# Altium PCB DM3370.PcbDoc (part 1 of 9) (continued)
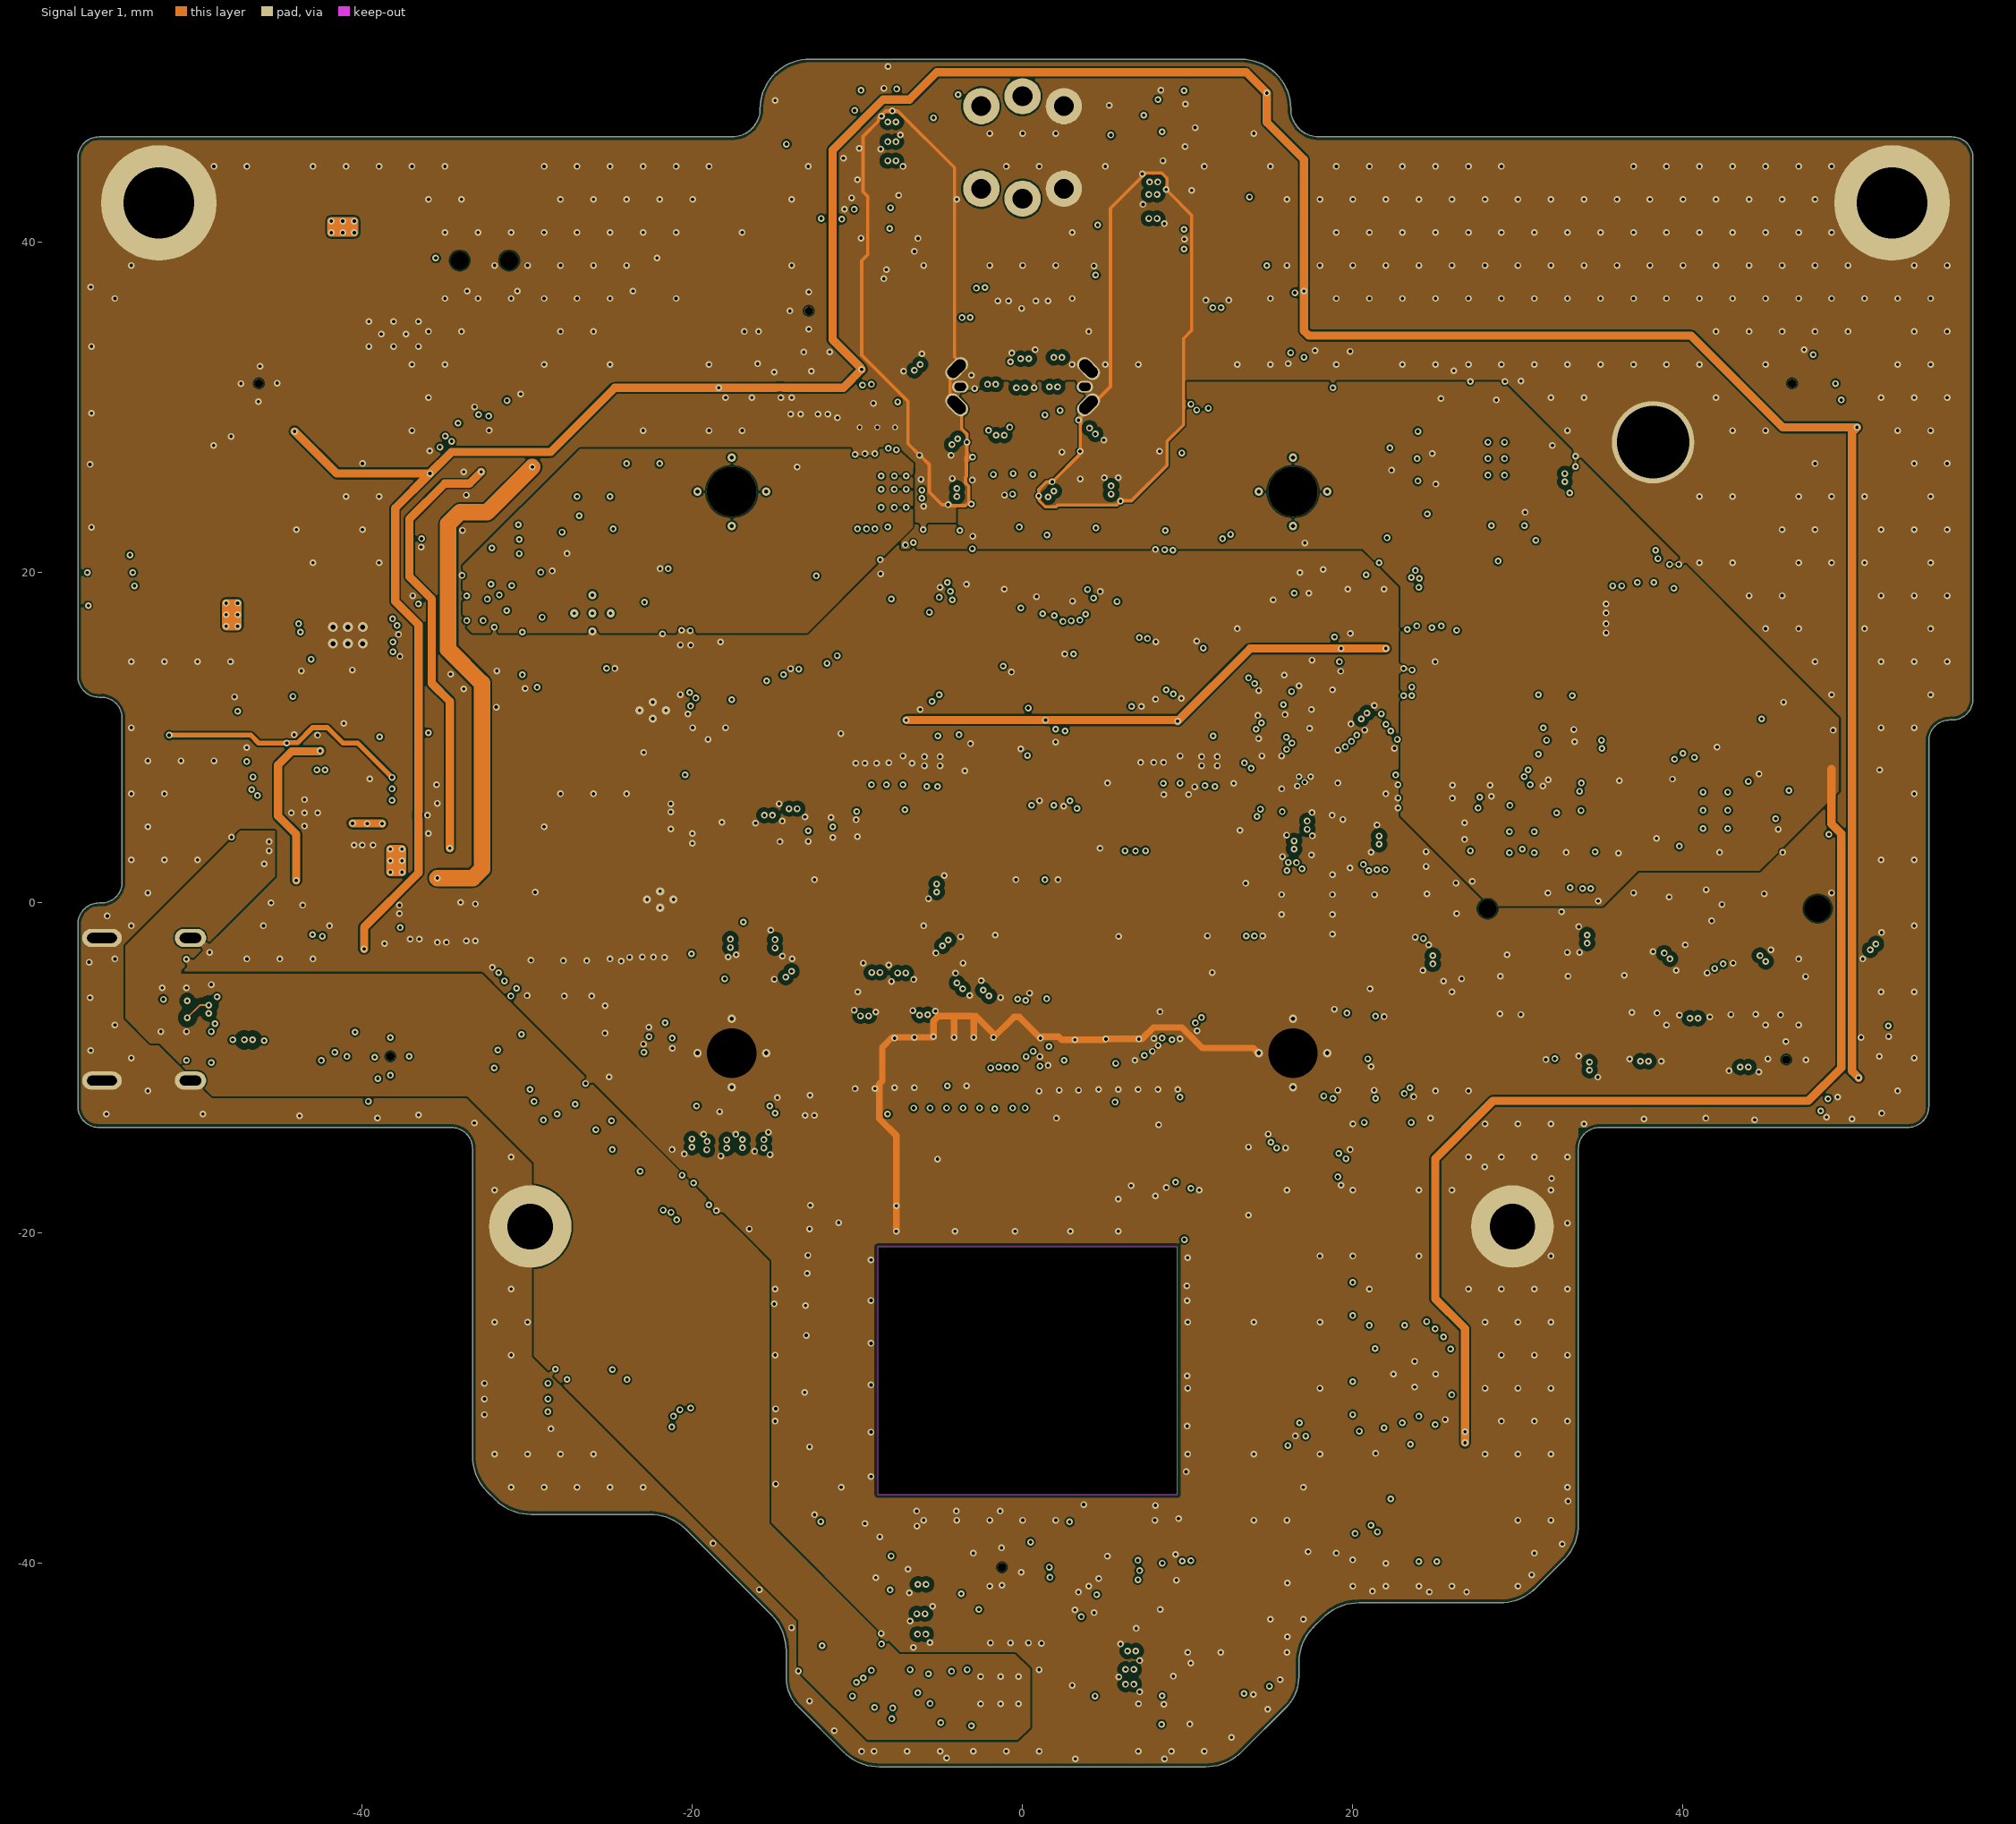
[diagram p4: Signal Layer 1]
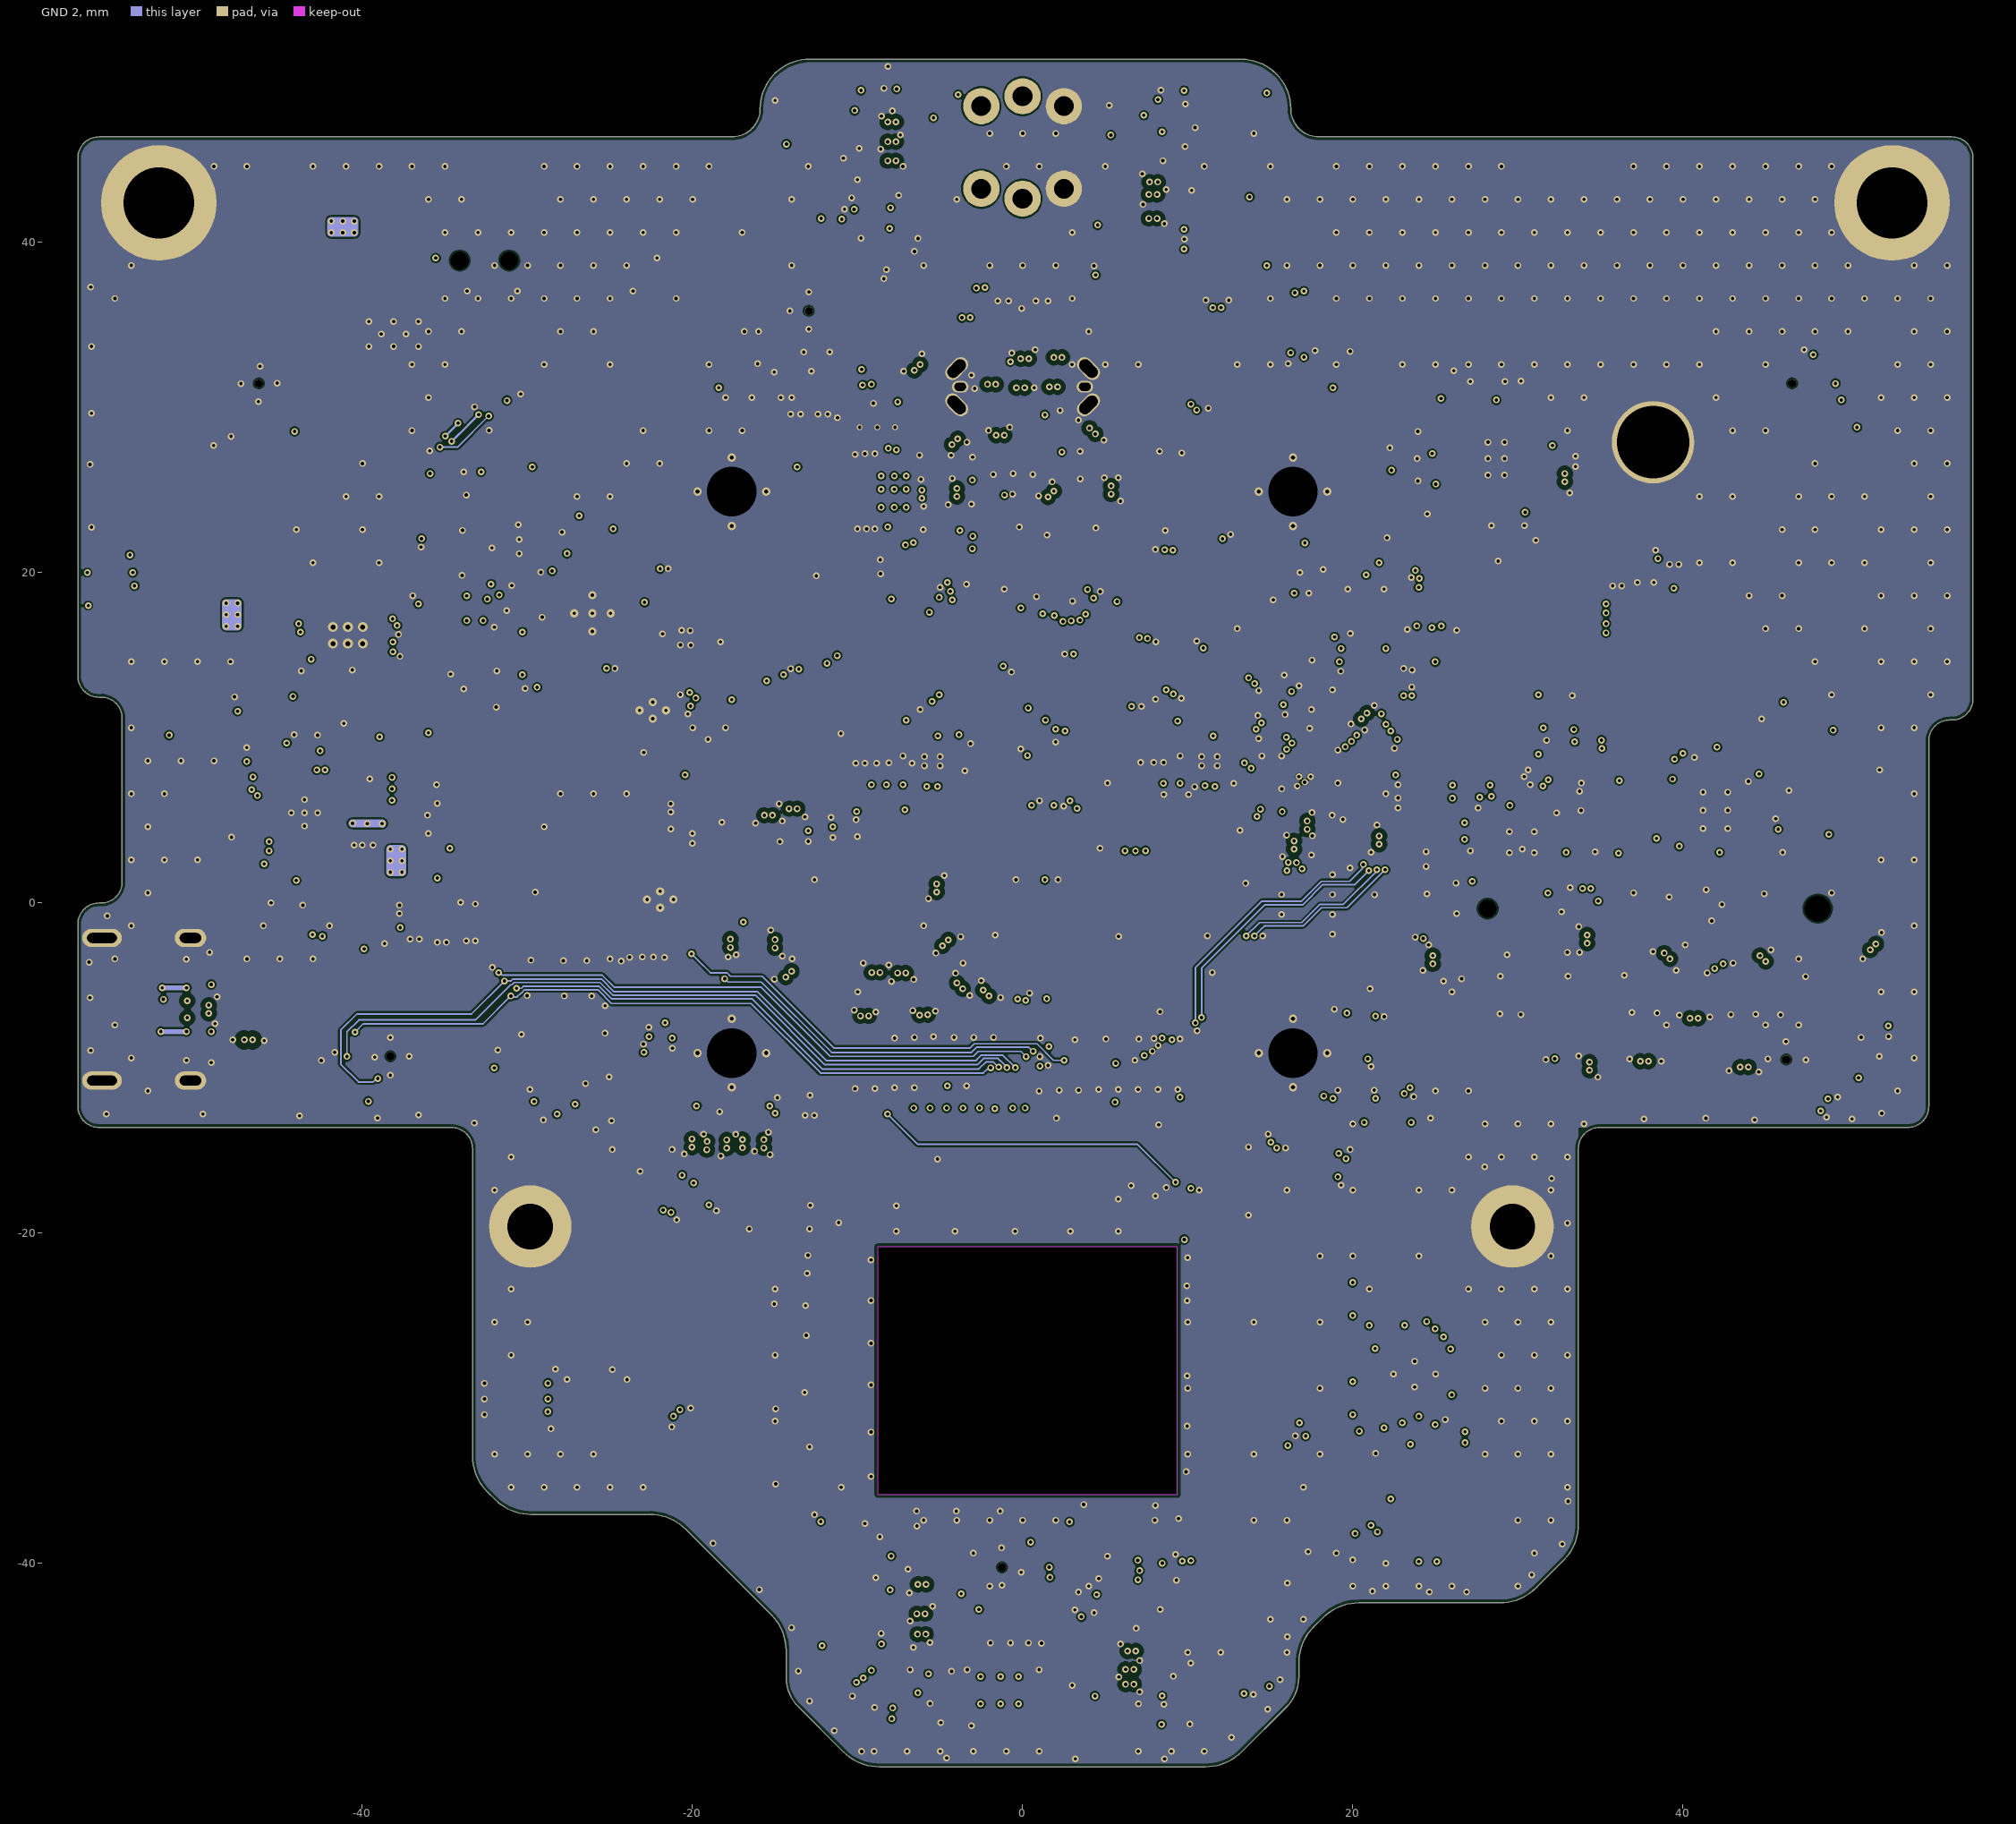
[diagram p5: GND 2]

## Layer stack, top to bottom
Top Mask: solder mask 0.015, Solder Resist, Dk 3.8
Top Copper: signal copper 0.035
Dielectric 1: prepreg 0.1, 2313, Dk 4.05
GND 1: signal copper 0.018
Core 1: core 0.565, FR-4, Dk 4.5
PWR: signal copper 0.018
Dielectric 2: prepreg 0.127, 2116, Dk 4.25
Signal Layer 1: signal copper 0.018
Core 2: core 0.565, FR-4, Dk 4.5
GND 2: signal copper 0.018
Dielectric 3: prepreg 0.1, 2313, Dk 4.05
Bottom Copper: signal copper 0.035
Bottom Mask: solder mask 0.015, Solder Resist, Dk 3.8

## Board outline
-32.427,-35.673 cw(c-30.259,-33.505) -33.325,-33.505 -33.315,-33.505 -33.315,-14.879 -33.325,-14.879 ccw(c-34.595,-14.879) -34.595,-13.609 -55.955,-13.609 cw(c-55.955,-12.339) -57.225,-12.339 -57.225,-1.284 cw(c-55.955,-1.284) -55.955,-0.014 -55.82,-0.014 ccw(c-55.82,1.256) -54.55,1.256 -54.55,11.18 ccw(c-55.82,11.18) -55.82,12.45 -55.955,12.45 cw(c-55.955,13.72) -57.225,13.72 -57.225,45.121 cw(c-55.955,45.121) -55.955,46.391 -21.325,46.391 -17.6,46.391 ccw(c-17.6,48.091) -15.9,48.091 cw(c-12.9,48.091) -12.9,51.091 13.25,51.091 cw(c13.25,48.091) 16.25,48.091 ccw(c17.95,48.091) 17.95,46.391 21.675,46.391 56.305,46.391 cw(c56.305,45.121) 57.575,45.121 57.575,12.34 cw(c56.305,12.34) 56.305,11.07 56.17,11.07 ccw(c56.17,9.8) 54.9,9.8 54.9,-12.339 cw(c53.63,-12.339) 53.63,-13.609 34.945,-13.609 ccw(c34.945,-14.879) 33.675,-14.879 33.675,-37.655 cw(c30.609,-37.655) 32.777,-39.823 31.098,-41.502 cw(c28.93,-39.334) 28.93,-42.4 20.37,-42.4 ccw(c20.37,-45.466) 18.202,-43.298 17.638,-43.862 ccw(c19.806,-46.03) 16.74,-46.03 16.74,-46.895 cw(c14.17,-46.895) 15.987,-48.713 13.301,-51.399 13.263,-51.437 cw(c11.095,-49.269) 11.095,-52.335 -8.68,-52.335 cw(c-8.68,-49.269) -10.848,-51.437 -10.886,-51.399 -13.572,-48.713 cw(c-11.755,-46.895) -14.325,-46.895 -14.325,-45.295 ccw(c-17.391,-45.295) -15.223,-43.127 -20.402,-37.948 ccw(c-22.57,-40.116) -22.57,-37.05 -29.78,-37.05 cw(c-29.78,-33.984) -31.948,-36.152
cut-out: 9.369,-20.835 -8.77,-20.835 -8.77,-35.823 9.369,-35.823

## Design rules (kind name [scope] priority, off if disabled: settings)
AssemblyTestPointUsage [All] p1: valid=2
BoardOutlineClearance [All] p1: gap=0.2 ignorepadtopadclearanceinfootprint=FALSE except(0: Text-OutlineEdge Text-CavityEdge Text-CutoutEdge Text-SplitBarrior Text-SplitContinuation)
Clearance Antenna_50ohm_via [(IsVia AND InNet('RF_ANT'))] p1: gap=0.25 ignorepadtopadclearanceinfootprint=FALSE
Clearance Antenna_50ohm [(InNet('RF_OUT') or InNet('RF_ANT'))] p2: gap=0.127 ignorepadtopadclearanceinfootprint=FALSE
Clearance Diff_Pair_Spacing [(InDifferentialPairClass('All Differential Pairs'))] p3: gap=0.102 ignorepadtopadclearanceinfootprint=FALSE except(0.089: Via-Via; 0.381: Arc-Poly Track-Poly SMDPad-Poly THPad-Poly Via-Poly Fill-Poly Poly-Poly)
Clearance general [All] p4: gap=0.102 ignorepadtopadclearanceinfootprint=FALSE except(0.089: Via-Via)
ComponentClearance [not (InNamedUnion('Unions') or InNamedUnion('Unions 1') )] p1: gap=0.1 collisioncheckmode=3 verticalgap=0.2 showdistances=FALSE
DiffPairsRouting 90ohm_diff_pair [InDifferentialPairClass('90ohm')] p1: maxlimit=0.254 minlimit=0.102 mostfreqgap=0.254 toplayer_mingap=0.127 toplayer_maxgap=0.127 toplayer_prefgap=0.127 toplayer_minwidth=0.14 toplayer_maxwidth=0.14 toplayer_prefwidth=0.14 midlayer2_mingap=0.104 midlayer2_maxgap=0.104 midlayer2_prefgap=0.104 midlayer2_minwidth=0.102 midlayer2_maxwidth=0.102 midlayer2_prefwidth=0.102 midlayer3_mingap=0.104 midlayer3_maxgap=0.104 midlayer3_prefgap=0.104 midlayer3_minwidth=0.102 midlayer3_maxwidth=0.102 midlayer3_prefwidth=0.102 bottomlayer_mingap=0.127 bottomlayer_maxgap=0.127 bottomlayer_prefgap=0.127 bottomlayer_minwidth=0.14 bottomlayer_maxwidth=0.14 bottomlayer_prefwidth=0.14 impedanceprofiledriven=TRUE impedanceprofileid={4A887355-EDE9-43E1-A72D-57128750E5B5} impedanceprofilevalue=90.000000 maxuncoupledlength=12.7
DiffPairsRouting 100ohm_Diff_pair [InDifferentialPairClass('100ohm')] p2: maxlimit=0.254 minlimit=0.102 mostfreqgap=0.16 toplayer_mingap=0.127 toplayer_maxgap=0.127 toplayer_prefgap=0.127 toplayer_minwidth=0.101 toplayer_maxwidth=0.101 toplayer_prefwidth=0.101 midlayer2_mingap=0.16 midlayer2_maxgap=0.16 midlayer2_minwidth=0.101 midlayer2_maxwidth=0.101 midlayer2_prefwidth=0.101 midlayer3_mingap=0.16 midlayer3_maxgap=0.16 midlayer3_minwidth=0.101 midlayer3_maxwidth=0.101 midlayer3_prefwidth=0.101 bottomlayer_mingap=0.127 bottomlayer_maxgap=0.127 bottomlayer_prefgap=0.127 bottomlayer_minwidth=0.101 bottomlayer_maxwidth=0.101 bottomlayer_prefwidth=0.101 impedanceprofiledriven=TRUE impedanceprofileid={50C3F4AE-9793-4715-878E-B2E5BAB938C0} impedanceprofilevalue=100.000000 maxuncoupledlength=12.7
FabricationTestPointUsage [All] p1: valid=2 allowmultiple=FALSE
HoleSize [All] p1: absolutevalues=TRUE maxlimit=3.81 minlimit=0.025 maxpercent=80.000 minpercent=20.000
HoleToHoleClearance [All] p1: gap=0.254 allowstackedmicrovias=FALSE
MatchedLengths MIPI_RX0/1 [InNetClass('MIPI_RX0/1')] p1: tolerance=25.4 checknetsindiffpair=FALSE checkdiffpairvsdiffpair=TRUE checkxsignals=TRUE checkothers=TRUE usedelayunits=TRUE delaytolerance=1.000000
MatchedLengths MIPI_RX2 [InNetClass('MIPI_RX2')] p2: tolerance=25.4 checknetsindiffpair=FALSE checkdiffpairvsdiffpair=TRUE checkxsignals=TRUE checkothers=TRUE usedelayunits=TRUE delaytolerance=1.000000
MatchedLengths MIPI_RX3 [InNetClass('MIPI_RX3')] p3: tolerance=25.4 checknetsindiffpair=FALSE checkdiffpairvsdiffpair=TRUE checkxsignals=TRUE checkothers=TRUE usedelayunits=TRUE delaytolerance=1.000000
MatchedLengths MIPI_RX4 [InNetClass('MIPI_RX4')] p4: tolerance=25.4 checknetsindiffpair=FALSE checkdiffpairvsdiffpair=TRUE checkxsignals=TRUE checkothers=TRUE usedelayunits=TRUE delaytolerance=1.000000
MatchedLengths MIPI_RX5 [InNetClass('MIPI_RX5')] p5: tolerance=25.4 checknetsindiffpair=FALSE checkdiffpairvsdiffpair=TRUE checkxsignals=TRUE checkothers=TRUE usedelayunits=TRUE delaytolerance=1.000000
MatchedLengths DIFF_PAIR_INTRA [InAnyDifferentialPair and (not InNetClass('PCIE'))] p6: tolerance=25.4 checknetsindiffpair=TRUE checkdiffpairvsdiffpair=FALSE checkxsignals=FALSE checkothers=FALSE usedelayunits=TRUE delaytolerance=0.500000
MatchedLengths XSIG-SPI [InxSignalClass('XSIG-SPI')] p7: tolerance=50 checknetsindiffpair=FALSE checkdiffpairvsdiffpair=TRUE checkxsignals=TRUE checkothers=TRUE usedelayunits=TRUE delaytolerance=20.000000
MatchedLengths XSIG-IMU [InxSignalClass('XSIG-IMU')] p8: tolerance=50 checknetsindiffpair=FALSE checkdiffpairvsdiffpair=TRUE checkxsignals=TRUE checkothers=TRUE usedelayunits=TRUE delaytolerance=20.000000
MatchedLengths XSIG-USB [InxSignalClass('XSIG-USB')] p9: tolerance=50 checknetsindiffpair=TRUE checkdiffpairvsdiffpair=FALSE checkxsignals=FALSE checkothers=FALSE usedelayunits=TRUE delaytolerance=1.000000
MatchedLengths XSIG_PCIe [InxSignalClass('XSIG_PCIe')] p10: tolerance=50 checknetsindiffpair=TRUE checkdiffpairvsdiffpair=FALSE checkxsignals=FALSE checkothers=FALSE usedelayunits=TRUE delaytolerance=1.000000
MatchedLengths XSIG-USB_M.2 [InxSignalClass('XSIG-USB-M.2')] p11: tolerance=50 checknetsindiffpair=TRUE checkdiffpairvsdiffpair=FALSE checkxsignals=FALSE checkothers=FALSE usedelayunits=TRUE delaytolerance=1.000000
MatchedLengths XSIG-USB_CONNC [InxSignalClass('XSIG-USB-CONNC')] p12: tolerance=50 checknetsindiffpair=TRUE checkdiffpairvsdiffpair=FALSE checkxsignals=FALSE checkothers=FALSE usedelayunits=TRUE delaytolerance=1.000000
MatchedLengths XSIG-USB_DOWNLOAD [InxSignalClass('XSIG-USB-DOWNLOAD')] p13: tolerance=50 checknetsindiffpair=TRUE checkdiffpairvsdiffpair=FALSE checkxsignals=FALSE checkothers=FALSE usedelayunits=TRUE delaytolerance=1.000000
MinimumSolderMaskSliver [All] p1: minsoldermaskwidth=0.045
PlaneConnect [All] p1: pad.planeconnectstyle=Relief pad.reliefexpansion=0.508 pad.reliefentries=4 pad.reliefconductorwidth=0.254 pad.reliefairgap=0.254 via.planeconnectstyle=Direct via.reliefexpansion=0.508 via.reliefentries=4 via.reliefconductorwidth=0.254 via.reliefairgap=0.254
PolygonConnect OuterLayerGND_PolyClass [(OnTopLayer or OnBottomLayer) and InNet('GND')] p1: thpad.connectstyle=Direct thpad.reliefconductorwidth=0.254 thpad.reliefentries=4 thpad.polygonreliefangle="90 Angle" thpad.airgapwidth=0.254 smdpad.connectstyle=Relief smdpad.reliefconductorwidth=0.254 smdpad.reliefentries=4 smdpad.polygonreliefangle="90 Angle" smdpad.airgapwidth=0.254 via.connectstyle=Direct via.reliefconductorwidth=0.254 via.reliefentries=4 via.polygonreliefangle="90 Angle" via.airgapwidth=0.254
PolygonConnect GenericPoly [All] p2: connectstyle=Direct reliefconductorwidth=0.254 reliefentries=4 polygonreliefangle="90 Angle" airgapwidth=0.254
RoutingVias RoutingVias_Diff [InDifferentialPairClass('All Differential Pairs')] p1: holewidth=0.711 width=1.27 viastyle="Through Hole" minholewidth=0.711 minwidth=1.27 maxholewidth=0.711 maxwidth=1.27 useviatemplates=TRUE viatemplateguid#1={382E79FE-C3E6-4321-BD90-BF9CB8F29709} viatemplatename#1=v41h20m0mx0
RoutingVias RoutingVias_50ohm [InNet('RF_ANT')] p2: holewidth=0.3 width=0.6 viastyle="Through Hole" minholewidth=0.203 minwidth=0.406 maxholewidth=0.711 maxwidth=1.27 viatemplateguid#1={4FAF5CDF-1B7A-4E58-8938-CCE8ED26F714} viatemplatename#1=v41h20
RoutingVias [All] p3: holewidth=0.203 width=0.406 viastyle="Through Hole" minholewidth=0.203 minwidth=0.406 maxholewidth=25.4 maxwidth=25.4 useviatemplates=TRUE viatemplateguid#1={382E79FE-C3E6-4321-BD90-BF9CB8F29709} viatemplatename#1=v41h20m0mx0
SilkToSilkClearance [All] p1: silktosilkclearance=0.01
SilkToSolderMaskClearance SilkscreenOverComponentPads [IsPad] p1: minsilkscreentomaskgap=0 clearancetoexposedcopper=FALSE
SolderMaskExpansion [All] p1: expansion=0.051 istentingtop=FALSE
UnRoutedNet [All] p1: checkbadconnections=TRUE
Width [All] p1: maxlimit=1 minlimit=0.102 preferedwidth=0.127
19 further rules are at their usual default settings.

## Classes and differential pairs
component class U_DM3370_speaker: C121 C122 C123 C124 C125 C126 C127 C128 C129 C130 C131 C132 C133 C134 C135 C136 C137 C138 P1 P2 R163 R164 R165 U19
net class MIPI_RX5: MIPI_RX5_C_N MIPI_RX5_C_P MIPI_RX5_D0_N MIPI_RX5_D0_P MIPI_RX5_D1_N MIPI_RX5_D1_P
net class MIPI_RX3: MIPI_RX3_C_N MIPI_RX3_C_P MIPI_RX3_D0_N MIPI_RX3_D0_P MIPI_RX3_D1_N MIPI_RX3_D1_P
component class TopLevel: FID1 FID2 FID3 FID4 FID5 FID6 MTG1 MTG2 MTG3 MTG4
differential pair class 100ohm: MIPI_RX0_C MIPI_RX0_D0 MIPI_RX0_D1 MIPI_RX1_C MIPI_RX1_D0 MIPI_RX1_D1 MIPI_RX2_C MIPI_RX2_D0 MIPI_RX2_D1 MIPI_RX3_C MIPI_RX3_D0 MIPI_RX3_D1 MIPI_RX4_C MIPI_RX4_D0 MIPI_RX4_D1 MIPI_RX5_C MIPI_RX5_D0 MIPI_RX5_D1 MIPI_TX0_C MIPI_TX0_D0 MIPI_TX0_D1 MIPI_TX1_D0 MIPI_TX1_D1 MIPI_TX2_C MIPI_TX2_D0 MIPI_TX2_D1 MIPI_TX3_C MIPI_TX3_D0 MIPI_TX3_D1 PCIe1_KB_CLK_GEN PCIe1_KB_CLK_IN PCIe1_WIFI_CLK_GEN PCIe1_WIFI_CLK_IN PCIe2_KB_CLK_GEN PCIe2_KB_CLK_IN PCIe2_WIFI_CLK_GEN PCIe2_WIFI_CLK_IN PCIE_CLK PCIE_CRX0 PCIE_CRX1 PCIE_CTX0 PCIE_CTX1 PCIE_RC_REF_CLK PCIe_W_CLK_IN PET0 PET1
net class POWER: 1V8_MIC_1L 1V8_MIC_2L 1V8_MIC_3L 3V3_WIFI
net class PCIE: PCIe1_KB_CLK_GEN_N PCIe1_KB_CLK_GEN_P PCIe1_KB_CLK_IN_N PCIe1_KB_CLK_IN_P PCIe1_WIFI_CLK_GEN_N PCIe1_WIFI_CLK_GEN_P PCIe1_WIFI_CLK_IN_N PCIe1_WIFI_CLK_IN_P PCIe2_KB_CLK_GEN_N PCIe2_KB_CLK_GEN_P PCIe2_KB_CLK_IN_N PCIe2_KB_CLK_IN_P PCIe2_WIFI_CLK_GEN_N PCIe2_WIFI_CLK_GEN_P PCIe2_WIFI_CLK_IN_N PCIe2_WIFI_CLK_IN_P PCIE_CLK_N PCIE_CLK_P PCIE_CRX0_N PCIE_CRX0_P PCIE_CRX1_N PCIE_CRX1_P PCIE_CTX0_N PCIE_CTX0_P PCIE_CTX1_N PCIE_CTX1_P PCIE_RC_REF_CLK_N PCIE_RC_REF_CLK_P PCIe_W_CLK_IN_N PCIe_W_CLK_IN_P PET0_N PET0_P PET1_N PET1_P
net class MIPI_TX2/3: MIPI_TX2_C_N MIPI_TX2_C_P MIPI_TX2_D0_N MIPI_TX2_D0_P MIPI_TX2_D1_N MIPI_TX2_D1_P MIPI_TX3_C_N MIPI_TX3_C_P MIPI_TX3_D0_N MIPI_TX3_D0_P MIPI_TX3_D1_N MIPI_TX3_D1_P
net class MIPI_TX0/1: MIPI_TX0_C_N MIPI_TX0_C_P MIPI_TX0_D0_N MIPI_TX0_D0_P MIPI_TX0_D1_N MIPI_TX0_D1_P MIPI_TX1_D0_N MIPI_TX1_D0_P MIPI_TX1_D1_N MIPI_TX1_D1_P
net class MIPI_RX4: MIPI_RX4_C_N MIPI_RX4_C_P MIPI_RX4_D0_N MIPI_RX4_D0_P MIPI_RX4_D1_N MIPI_RX4_D1_P
net class MIPI_RX2: MIPI_RX2_C_N MIPI_RX2_C_P MIPI_RX2_D0_N MIPI_RX2_D0_P MIPI_RX2_D1_N MIPI_RX2_D1_P
net class MIPI_RX0/1: MIPI_RX0_C_N MIPI_RX0_C_P MIPI_RX0_D0_N MIPI_RX0_D0_P MIPI_RX0_D1_N MIPI_RX0_D1_P MIPI_RX1_D0_N MIPI_RX1_D0_P MIPI_RX1_D1_N MIPI_RX1_D1_P
net class I2S1: I2S0_I/O_SD0 I2S0_I/O_SD1 I2S0_I/O_SD2 I2S0_I/O_SD3 I2S0_SCK I2S0_WS I2S1_O_SD0 I2S1_SCK I2S1_WS
component class U_DM3370_OV9782_3-4: C91 C92 C93 C94 C95 C96 C97 C98 C99 C100 C101 C102 FB14 FB15 FB17 FB18 J16 J17 R136 R137 R138 R139 R140 R141 R142 R143 R144 R161 R162 R177 R178 TP10 TP11 TP12 TP13
component class U_DM3370_OV9782_1-2: C79 C80 C81 C82 C83 C84 C85 C86 C87 C88 C89 C90 FB8 FB9 FB11 FB12 J14 J15 R19 R127 R128 R129 R130 R131 R132 R133 R134 R135 R159 R160 R170 TP6 TP7 TP8 TP9
component class U_DM3370_LCD_LEDring: C158 C159 C160 C168 C169 C170 C171 C172 FB7 FB19 J6 J18 J19 J20 J21 Q7 R118 R145 R158 R166 R171 R172 R173 R176 R179 R180 R181 R182 TP14 TP15 TP16 TP17 TP18 TP19 TP20 TP21 TP22 TP23 TP24 TP26 TP36 TP37 TP38 TP39 TP40 TP41 U16 U23 U25
component class U_DM3370_IMX214: C73 C74 C75 C76 C77 C78 FB5 FB6 J13 R124 R125 R126 R199 TP4 TP5
component class U_DM3370_IMU_BMI270: C1 C2 C173 C174 C175 C176 C177 C178 C179 R183 R184 R185 TP42 U1 U26 Y1
component class U_DM3370_I2S_MICS: C104 C105 C106 C107 C108 C109 C110 C111 C112 C113 C114 C115 L4 L5 L6 L7 L8 L9 MIC1 MIC2 MIC3 MIC4 MIC5 MIC6
component class U_DM3370_EEPROM_Add: C103 R146 R147 R148 R149 R150 R151 R152 U17
component class U_DM3370_Connector_C: D2 J5 M2 R4 R18 R20 R52
component class U_DM3370_Connector_B: B3 J3 J4 R1 R2 R5 R6 R7 R8 R9 R10 R11 R12 R13 R14 R15 R16 R17 R40 R41 R42 R44 R154 R155 R156 R157
component class U_DM3370_Connector_A: 2 B1 J1 TP28
differential pair class 90ohm: D_USB_D HUB_USB_D P_USB_D RXB RXC SOC_USB_D TXB TXB1 TXC TXC1 USB_D USB_M.2_D USB_MAX1_D USB_MAX2_D USB_RX USB_TX USBSER_D
net class USB: D_USB_D_N D_USB_D_P HUB_USB_D_N HUB_USB_D_P P_USB_D_N P_USB_D_P RXB_N RXB_P RXC_N RXC_P TXB1_N TXB1_P TXB_N TXB_P TXC1_N TXC1_P TXC_N TXC_P USB_D_N USB_D_P USB_M.2_D_N USB_M.2_D_P USB_RX_N USB_RX_P USB_TX_N USB_TX_P
net class QSPI: BMI270_CS_1V8 BMI270_MISO_1V8 BMI270_MOSI_1V8 BMI270_SCK_1V8 SPI2_SCK SPI2_SIO0 SPI2_SIO1 SPI2_SS_0 SPI2_SS_1
net class Power_trace: 1V0 1V0_IMX214 1V2_OV9782_1 1V2_OV9782_2 1V2_OV9782_3 1V2_OV9782_4 1V8 1V8_IMX214 1V8_OV9782_1 1V8_OV9782_2 1V8_OV9782_3 1V8_OV9782_4 2V8 2V8_IMX214 2V8_OV9782_1 2V8_OV9782_2 2V8_OV9782_3 2V8_OV9782_4 3V3 5V0 11V BB_SYS BMC_SYS NetC118_2 NetD4_2 NetD7_2 NetJ2_1 VBAT
component class U_DM3370_USB: C45 C46 C47 C48 C49 C50 C51 C52 C53 C54 C55 C56 C57 C145 C146 C147 C148 C149 C150 C151 C152 C153 C154 C155 C156 C157 J10 J11 J12 Q3 Q4 R78 R79 R80 R81 R82 R83 R84 R85 R86 R87 R88 R89 R90 R94 R95 R168 R174 R175 R200 TP25 TP27 TP43 U12 U13 U21 U22 X1
component class U_DM3370_Motor: C3 C4 C5 C6 C7 C8 C9 C10 C11 C12 C143 C144 C167 FB21 J7 J8 R21 R22 R23 R24 R25 R26 R27 R28 R92 R169 R186 U2 U3 U20
component class U_DM3370_PCIE_CLK: C59 C60 C61 C62 C63 C64 C65 C66 C67 C68 C69 C70 C71 C72 FB2 FB3 OS2 OS3 R96 R97 R98 R99 R100 R101 R102 R103 R104 R105 R106 R107 R108 R109 R110 R111 R112 R113 R114 R115 R116 R117 R119 R120 R121 R122 R123 U14 U15
component class U_DM3370_Power: B2 C23 C24 C25 C26 C27 C28 C29 C30 C31 C32 C33 C34 C35 C36 C37 C38 C39 C40 C41 C42 C43 C44 C58 C116 C117 C118 C119 C120 C139 C140 C141 C142 C161 C162 C163 C164 C165 C166 C180 C181 D1 D3 D4 D6 D7 D8 J2 L1 L2 L3 L10 M3 M4 Q1 Q2 R3 R53 R56 R57 R58 R59 R60 R61 R62 R63 R64 R65 R66 R67 R68 R69 R70 R71 R72 R73 R74 R76 R91 R167 R187 R188 R189 R190 R191 R192 R193 R194 R195 R196 R197 R198 TP1 TP2 TP3 TP29 TP30 TP31 TP32 TP33 TP34 TP35 U5 U6 U7 U8 U9 U10 U11 U18 U24
component class U_DM3370_PCIe: C13 C14 C15 C16 C17 C18 C19 C20 C21 C22 FB1 FB20 J9 MH1 OS1 R29 R30 R31 R32 R33 R34 R35 R36 R37 R38 R39 R43 R45 R46 R47 R48 R49 R50 R51 R54 R55 R75 R77 R93 R153 U4
differential pair D_USB_D: +D_USB_D_P -D_USB_D_N
differential pair USB_M.2_D: +USB_M.2_D_P -USB_M.2_D_N
differential pair HUB_USB_D: +HUB_USB_D_P -HUB_USB_D_N
differential pair PET1: +PET1_P -PET1_N
differential pair PCIE_RC_REF_CLK: +PCIE_RC_REF_CLK_P -PCIE_RC_REF_CLK_N
differential pair PCIE_CTX1: +PCIE_CTX1_P -PCIE_CTX1_N
differential pair PCIE_CTX0: +PCIE_CTX0_P -PCIE_CTX0_N
differential pair PCIE_CRX1: +PCIE_CRX1_P -PCIE_CRX1_N
differential pair PCIE_CRX0: +PCIE_CRX0_P -PCIE_CRX0_N
differential pair PCIE_CLK: +PCIE_CLK_P -PCIE_CLK_N
differential pair PET0: +PET0_P -PET0_N
differential pair P_USB_D: +P_USB_D_P -P_USB_D_N
differential pair PCIe_W_CLK_IN: +PCIe_W_CLK_IN_P -PCIe_W_CLK_IN_N
differential pair PCIe2_WIFI_CLK_IN: +PCIe2_WIFI_CLK_IN_P -PCIe2_WIFI_CLK_IN_N
differential pair PCIe2_WIFI_CLK_GEN: +PCIe2_WIFI_CLK_GEN_P -PCIe2_WIFI_CLK_GEN_N
differential pair PCIe2_KB_CLK_IN: +PCIe2_KB_CLK_IN_P -PCIe2_KB_CLK_IN_N
differential pair PCIe2_KB_CLK_GEN: +PCIe2_KB_CLK_GEN_P -PCIe2_KB_CLK_GEN_N
differential pair PCIe1_WIFI_CLK_IN: +PCIe1_WIFI_CLK_IN_P -PCIe1_WIFI_CLK_IN_N
differential pair PCIe1_WIFI_CLK_GEN: +PCIe1_WIFI_CLK_GEN_P -PCIe1_WIFI_CLK_GEN_N
differential pair PCIe1_KB_CLK_IN: +PCIe1_KB_CLK_IN_P -PCIe1_KB_CLK_IN_N
differential pair PCIe1_KB_CLK_GEN: +PCIe1_KB_CLK_GEN_P -PCIe1_KB_CLK_GEN_N
differential pair MIPI_TX3_D1: +MIPI_TX3_D1_P -MIPI_TX3_D1_N
differential pair MIPI_TX3_D0: +MIPI_TX3_D0_P -MIPI_TX3_D0_N
differential pair MIPI_TX3_C: +MIPI_TX3_C_P -MIPI_TX3_C_N
differential pair MIPI_TX2_D1: +MIPI_TX2_D1_P -MIPI_TX2_D1_N
differential pair MIPI_TX2_D0: +MIPI_TX2_D0_P -MIPI_TX2_D0_N
differential pair MIPI_TX2_C: +MIPI_TX2_C_P -MIPI_TX2_C_N